# Altium PCB BA-77GHz-Radar_Frontend.PcbDoc (part 3 of 4)
Units mm, origin at the board's own origin, x right, y up, seen from the top; angles counter-clockwise.
Board outline 160 x 110 mm, 6 copper layers (Top Copper, Signal Layer 1, Signal Layer 2, Signal Layer 3, Signal Layer 4, Bot Copper), stack 1.67 mm thick; 271 components, 238 nets, 1207 pads, 1481 vias.
Unrouted connection lines stored in the file: 391.
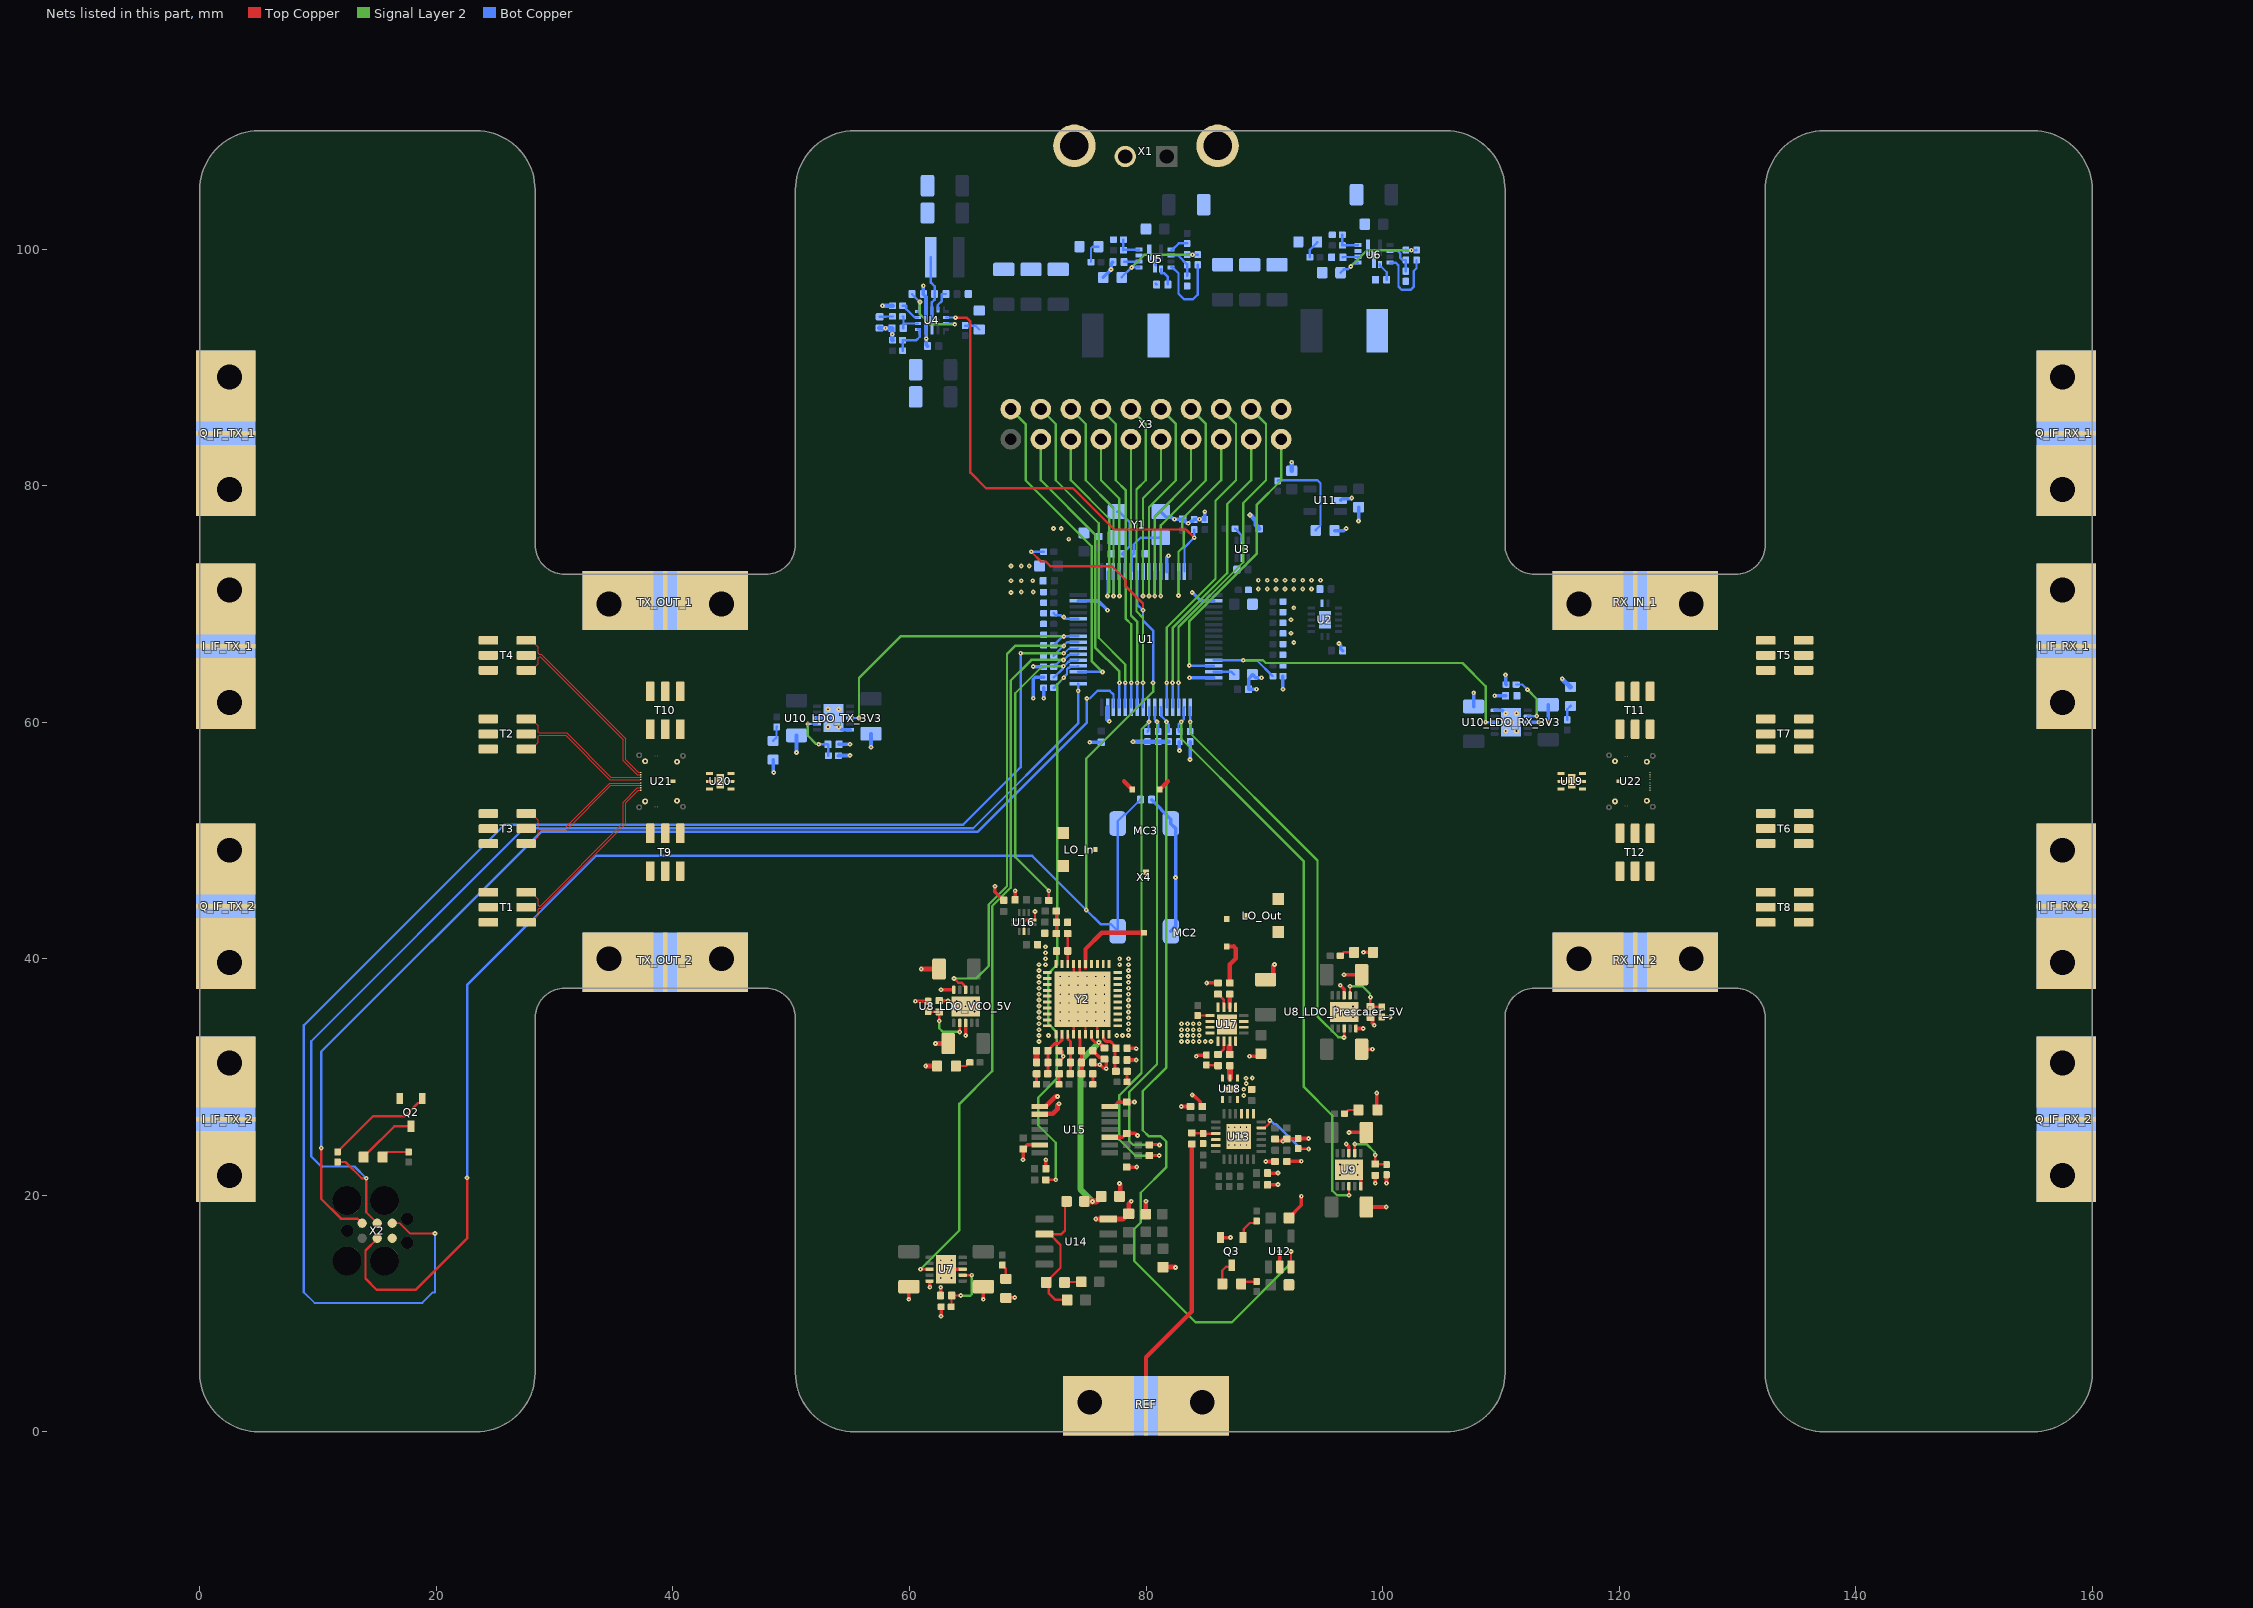
[diagram p5: the nets of this part, all layers, seen from the top]

## Via types
v1: diameter 0.4, hole 0.1, Top Copper to Bot Copper, tented both sides, 1477 vias
v2: diameter 6, hole 3.2, Top Copper to Bot Copper, 4 vias

## Nets (pads, with @x,y where several pads share a name; then routed paths per layer and width w, separated by ;. In a path a pad name is that pad's centre, name@x,y a point inside that pad or via, vN(x,y) a via of type N, cw(c..) or ccw(c..) an arc to the next point about the centre after c; other vN are vias at no path point) (continued)
GND: C1.1 C2.1 C3.1 C4.1 C5.1 C6.1 C7.1 C8.1 C9.1 C10.1 C11.1 C12.1 C13.1 C14.2 C15.1 C16.2 C17.1 C18.1 C19.1 C20.1 C21.1 C22.1 C24.1 C25.1 C26.1 C27.1 C28.1 C30.1 C31.1 C32.1 C33.1 C34.1 C35.1 C37.1 C38.1 C39.1 C40.1 C41.1 C42.1 C43.1 C44.1 C45.1 C47_LDO_Prescaler_5V.1 C47_LDO_VCO_5V.1 C48_LDO_Prescaler_5V.1 C48_LDO_VCO_5V.1 C50_LDO_Prescaler_5V.1 C50_LDO_VCO_5V.1 C51.2 C52.1 C53.1 C54.1 C55.1 C57_LDO_RX_3V3.1 C57_LDO_TX_3V3.1 C58_LDO_RX_3V3.1 C58_LDO_TX_3V3.1 C60_LDO_RX_3V3.1 C60_LDO_TX_3V3.1 C61.1 C62.1 C63.1 C64.1 C65.1 C66.1 C67.1 C68.1 C69.1 C70.1 C71.1 C72.1 C73.1 C78.1 C79.1 C80.1 C81.1 C82.1 C83.1 C84.1 C85.1 C86.1 C87.1 C88.1 C89.1 C90.1 C91.1 C92.1 C93.1 C94.1 C95.1 C96.1 C97.1 C98.1 C101.2 C103.2 C104.1 I_IF_RX_1.2 I_IF_RX_1.3 I_IF_RX_1.4 I_IF_RX_2.2 I_IF_RX_2.3 I_IF_RX_2.4 I_IF_TX_1.2 I_IF_TX_1.3 I_IF_TX_1.4 I_IF_TX_2.2 I_IF_TX_2.3 I_IF_TX_2.4 LED4.2 LED6.2 LED8.2 LED14.2 LED15_LDO_Prescaler_5V.2 LED15_LDO_VCO_5V.2 LED16.2 LED17_LDO_RX_3V3.2 LED17_LDO_TX_3V3.2 LED18.2 LO_In.2 LO_Out.2 Q2.2 Q3.2 Q_IF_RX_1.2 Q_IF_RX_1.3 Q_IF_RX_1.4 Q_IF_RX_2.2 Q_IF_RX_2.3 Q_IF_RX_2.4 Q_IF_TX_1.2 Q_IF_TX_1.3 Q_IF_TX_1.4 Q_IF_TX_2.2 Q_IF_TX_2.3 Q_IF_TX_2.4 R1.1 R2.1 R3.1 R4.1 R5.1 R6.1 R7.1 R8.1 R9.1 R10.1 R11.1 R13.1 R15.1 R17.1 R18.1 R19.1 R20.1 R21.1 R22.1 R24.2 R28.1 R29.1 R34.1 R35.1 R39.1 R40.1 R42.1 R43_LDO_Prescaler_5V.1 R43_LDO_VCO_5V.1 R44.1 R45_LDO_RX_3V3.1 R45_LDO_TX_3V3.1 R47.1 R51.1 R52.1 R53.1 R54.1 R55.1 R60.1 R65.1 R69.1 R85.1 REF.2 REF.3 REF.4 RX_IN_1.2 RX_IN_1.3 RX_IN_1.4 RX_IN_2.2 RX_IN_2.3 RX_IN_2.4 T1.1 T1.2 T1.5 T2.1 T2.2 T2.5 T3.1 T3.2 T3.5 T4.1 T4.2 T4.5 T5.1 T5.2 T5.5 T6.1 T6.2 T6.5 T7.1 T7.2 T7.5 T8.1 T8.2 T8.5 T9.1 T9.2 T9.5 T10.1 T10.2 T10.5 T11.1 T11.2 T11.5 T12.1 T12.2 T12.5 TX_OUT_1.2 TX_OUT_1.3 TX_OUT_1.4 TX_OUT_2.2 TX_OUT_2.3 TX_OUT_2.4 U1.12 U1.18 U1.31 U1.47 U1.63 U2.7 U2.15 U3.2 U4.7 U4.12 U5.1 U5.11 U6.1 U6.11 U7.5 U7.8 U7.11 U8_LDO_Prescaler_5V.5 U8_LDO_Prescaler_5V.8 U8_LDO_Prescaler_5V.11 U8_LDO_VCO_5V.5 U8_LDO_VCO_5V.8 U8_LDO_VCO_5V.11 U9.5 U9.8 U9.11 U10_LDO_RX_3V3.5 U10_LDO_RX_3V3.8 U10_LDO_RX_3V3.11 U10_LDO_TX_3V3.5 U10_LDO_TX_3V3.8 U10_LDO_TX_3V3.11 U11.2 U12.2 U13.1 U13.2 U13.3 U13.10 U13.11 U13.25 U14.4 U15.3 U15.7 U15.8 U15.9 U15.13 U16.3 U16.10 U17.1 U17.4 U17.6 U17.7 U17.8 U17.9 U17.12 U17.14 U17.15 U17.17 U18.1 U18.3 U18.4 U18.6 U18.7 U19.1 U19.3 U19.4 U19.6 U19.7 U20.1 U20.3 U20.4 U20.6 U20.7 U21.19 U22.19 X1.2 X1.MH1 X1.MH2 X2.5 X3.20 X4.3 X4.4 Y1.2 Y1.4 Y2.1 Y2.2 Y2.3 Y2.4 Y2.6 Y2.7 Y2.9 Y2.10 Y2.11 Y2.12 Y2.13 Y2.14 Y2.15 Y2.16 Y2.17 Y2.18 Y2.19 Y2.20 Y2.21 Y2.24 Y2.26 Y2.28 Y2.30 Y2.31 Y2.32 Y2.33 Y2.34 Y2.35 Y2.36 Y2.37 Y2.38 Y2.39 Y2.40 Y2.41 | length 157.4
  Top Copper w0.2: U16.10@69.685,42.291 69.685,42.891 ; 69.685,42.891 69.685,43.12 69.857,43.291 69.935,43.291 ; U16.3@70.335,43.291 70.585,43.291 70.61,43.316 v1(70.61,43.991) ; C89.1@72.657,31.23 72.657,31.255 72.962,31.56 72.962,31.712 v1(73,31.75) 72.962,31.788 72.962,32.151 72.883,32.23 C90.1@72.657,32.23 ; Y2.41@73.543,38.5 73.885,38.842 Y2.7@73.885,39.556 ; Y2.24@73.885,33.606 73.885,34.385 v1(74.25,34.75) ; v1(74.25,38.5) 74.385,38.635 Y2.6@74.385,39.556 ; Y2.26@74.885,33.606 74.885,34.635 v1(75,34.75) ; v1(75.75,34.75) 75.885,34.615 Y2.28@75.885,33.606
  Top Copper w0.3: v1(59.95,11.198) C42.1@59.95,12.273 ; v1(60.5,36.4) R43_LDO_VCO_5V.1@61.575,36.4 ; U7.5@61.7,12.748 61.7,12.273 61.725,12.248 v1(61.725,12.223) ; C50_LDO_VCO_5V.1@62.525,36.45 v1(63.25,36.45) ; C45.1@62.625,11.523 62.638,11.536 62.638,12.211 v1(62.65,12.223) ; v1(62.675,9.773) R42.1@62.675,10.573 ; v1(62.675,37.375) U8_LDO_VCO_5V.5@63.75,37.375 ; U7.11@63.1,13.748 U7.8@64.5,13.748 ; v1(64.75,33.5) U8_LDO_VCO_5V.8@64.75,34.575 ; v1(66.25,11.198) C43.1@66.25,12.273 ; v1(67.225,46.125) 67.225,45.651 67.935,44.941 C94.1@67.96,44.941 ; LED14.2@68.15,11.323 68.175,11.348 v1(68.9,11.348) ; C98.1@68.935,44.978 v1(68.935,45.75) ; v1(69.61,23) C83.1@69.61,23.903 69.98,24.273 71.018,24.273 U15.13@71.035,24.256 ; C86.1@71.535,22.253 v1(71.535,23) ; C84.1@75.5,31.23 75.5,31.205 75.65,31.055 75.718,31.055 75.723,31.05 76.066,31.05 v1(76.085,31.031) 76.112,31.031 76.418,30.725 76.627,30.725 v1(76.646,30.706) 76.646,31.356 76.496,31.506 C79.1@76.485,31.506 76.335,31.656 76.049,31.656 ; C85.1@75.5,32.23 75.5,32.205 76.049,31.656 ; 76,31.75 76.049,31.701 76.049,31.656 ; U15.7@76.91,27.506 77.41,27.506 77.485,27.581 77.485,27.705 77.661,27.881 C82.1@78.36,27.881 v1(79.032,27.881) ; U15.3@76.935,24.906 78.01,24.906 78.335,25.231 79.067,25.231 79.248,25.05 v1(79.275,25.05) ; C87.1@78.36,22.422 C87.1@78.36,22.381 v1(79.213,22.381) ; C80.1@78.41,31.436 v1(79.175,31.436) ; C81.1@78.41,32.436 78.432,32.414 79.156,32.414 v1(79.175,32.395) ; v1(82.979,27.503) C69.1@83.76,27.503 ; v1(83.9,28.48) 83.919,28.461 84.02,28.461 84.585,27.896 84.585,27.657 84.735,27.507 C70.1@84.76,27.507 ; v1(84.25,31.75) 84.277,31.75 84.38,31.853 R69.1@85.114,31.853 ; v1(85.125,37.953) C101.2@86.085,37.953 ; Q3.2@86.3,16.42 v1(87.137,16.42) ; v1(88.75,31.75) 89.491,31.75 C104.1@89.719,31.978 ; v1(90.129,22.855) C66.1@90.91,22.855 ; C67.1@90.285,20.88 91.131,20.88 v1(91.16,20.909) ; C68.1@90.285,21.88 v1(91.16,21.88) ; C72.1@90.91,24.748 91.06,24.598 91.128,24.598 91.135,24.592 91.567,24.592 v1(91.586,24.573) ; U12.2@91.31,13.95 v1@91.31,15.25 ; v1@91.515,24.748 C71.1@91.91,24.748 91.935,24.773 92.835,24.773 R47.1@92.86,24.798 v1(93.75,24.798) ; C65.1@91.91,22.855 91.933,22.878 v1(93.135,22.878) ; C64.1@92.085,18.075 92.085,18.1 93.135,19.15 v1(93.135,19.909) ; v1(96.425,37.75) 96.75,37.425 U8_LDO_Prescaler_5V.8@96.75,36.9 ; v1(96.75,38.65) C48_LDO_Prescaler_5V.1@98.225,38.65 ; v1(96.934,24.324) 97.159,24.099 U9.8@97.159,23.559 ; v1(97.159,25.309) C53.1@98.634,25.309 ; U8_LDO_Prescaler_5V.5@97.75,34.1 v1(98.375,34.1) ; U9.11@97.909,21.709 98.159,21.459 U9.5@98.159,20.759 ; C47_LDO_Prescaler_5V.1@98.225,32.35 v1(99.15,32.35) ; v1(98.397,40.535) LED15_LDO_Prescaler_5V.2@99.197,40.535 ; C52.1@98.634,19.009 v1(100.309,19.009) ; C50_LDO_Prescaler_5V.1@98.975,35.025 99,35.025 99.15,34.875 99.15,34.525 v1(99.3,34.375) ; v1(99.384,21.013) C55.1@99.384,21.684 ; v1(99.509,28.643) 99.509,27.268 LED16.2@99.559,27.218 ; R43_LDO_Prescaler_5V.1@99.925,35.075 100.6,35.075 v1(100.625,35.05) ; v1(100.334,21.013) R44.1@100.334,21.734
  Top Copper w0.4: v1(61,39.125) C47_LDO_VCO_5V.1@62.5,39.125 ; v1(61.369,30.925) LED15_LDO_VCO_5V.2@62.325,30.925 ; v1(62.2,32.825) C48_LDO_VCO_5V.1@63.275,32.825 ; U15.9@71.035,26.856 71.06,26.881 72.11,26.881 72.51,27.281 72.51,27.591 v1(72.65,27.731) ; U15.8@71.035,27.506 71.51,27.506 72.36,28.356 v1(72.51,28.356) ; v1(75.75,18) 76.798,18 U14.4@76.81,17.988 78.07,17.988 78.51,18.428 C78.1@78.535,18.428 ; v1(77.75,21) 77.815,20.935 77.815,19.958 C54.1@77.76,19.903 ; C78.1@78.548,18.416 C78.1@78.535,18.428 ; v1(78.75,19.5) 78.535,19.285 C78.1@78.535,18.428 ; R60.1@79.972,18.416 R60.1@79.985,18.403 79.985,19.485 v1(80,19.5) ; C51.2@81.435,13.928 82.472,13.928 v1(82.5,13.9) ; C103.2@90.111,38.228 90.388,38.228 90.763,38.603 90.763,39.403 v1(90.867,39.508)
  Top Copper w0.5: C91.1@70.757,31.23 C92.1@70.757,32.23
  Bot Copper w0.3: LED17_LDO_TX_3V3.2@48.475,56.825 48.475,55.781 v1(48.52,55.736) ; v1(50.45,57.442) C58_LDO_TX_3V3.1@50.45,58.875 ; U10_LDO_TX_3V3.8@52.175,60.35 U10_LDO_TX_3V3.11@53.575,60.35 ; R45_LDO_TX_3V3.1@54,57.167 54.012,57.18 54.963,57.18 v1(54.975,57.192) ; C60_LDO_TX_3V3.1@54.037,58.137 C60_LDO_TX_3V3.1@54.05,58.125 v1(54.975,58.125) ; U10_LDO_TX_3V3.11@54.037,59.588 U10_LDO_TX_3V3.11@54.025,59.6 54.275,59.35 U10_LDO_TX_3V3.5@54.975,59.35 ; v1(56.75,57.875) C57_LDO_TX_3V3.1@56.75,59.025 ; C24.1@61.175,96.175 61.4,95.95 U4.12@61.4,94.9 U4.7@61.4,93.434 61.425,93.409 61.425,91.9 C20.1@61.525,91.8 ; C24.1@61.175,96.2 v1(61.175,96.9) ; v1(70.475,62.025) 70.475,63.624 70.651,63.8 R5.1@71.35,63.8 ; v1(70.475,64.7) R18.1@71.35,64.7 ; v1(71.35,62.025) R8.1@71.35,62.9 ; U1.63@74.262,70.25 75.525,70.25 75.532,70.243 75.965,70.243 v1(76.753,69.456) ; v1(75.25,58.3) C2.1@76.225,58.3 ; C32.1@76.4,97.6 76.4,97.625 v1(77.05,98.275) 77.05,98.75 C33.1@77.2,98.9 ; C16.2@80.475,53.453 80.475,53.428 82.105,51.798 X4.4@82.105,51.424 82.5,51.029 v1(82.5,46.874) 82.5,42.719 X4.3@82.105,42.324 ; Y1.2@81.25,77.8 81.721,77.329 82.169,77.329 82.325,77.173 82.399,77.173 v1(82.418,77.154) ; U1.12@81.75,72.738 81.75,73.931 v1(81.894,74.075) ; v1@82.418,77.144 82.439,77.165 83.089,77.165 C8.1@83.1,77.175 ; v1(82.825,57.6) R13.1@82.825,58.35 ; C8.1@83.125,77.175 83.473,76.827 83.533,76.827 v1@83.55,76.81 ; v1(83.579,76.808) 83.606,76.808 83.772,76.975 83.95,76.975 84.075,77.1 84.075,77.15 84.087,77.138 84.512,77.138 v1(84.525,77.15) 84.95,77.15 R19.1@84.975,77.125 v1(84.975,77.8) ; v1(83.675,63.75) U1.31@85.738,63.75 ; v1(83.725,56.85) R15.1@83.725,58.35 ; v1(83.9,70.969) 84.619,70.25 U1.18@85.738,70.25 ; v1(89.337,62.775) C1.1@88.675,62.775 88.675,63.675 89,64 C7.1@89,64.025 89.275,63.75 v1(89.76,63.75) ; v1(91.575,62.775) R10.1@91.575,63.9 ; LED18.2@95.95,76.2 96.723,76.2 96.898,76.375 v1(96.925,76.375) ; v1(96.325,66.65) 96.325,66.623 96.475,66.473 96.475,66.201 C11.1@96.625,66.051 ; U11.2@96.45,78.75 96.6,78.9 97.35,78.9 v1(97.4,78.95) ; v1@97.975,77 C61.1@97.975,78.175 ; C57_LDO_RX_3V3.1@107.7,61.325 v1(107.7,62.475) ; U10_LDO_RX_3V3.5@109.475,61 110.134,61 110.384,60.75 U10_LDO_RX_3V3.11@110.425,60.75 ; v1(109.475,62.225) C60_LDO_RX_3V3.1@110.4,62.225 ; v1(110.4,64) 110.4,63.233 R45_LDO_RX_3V3.1@110.45,63.183 ; U10_LDO_RX_3V3.8@112.275,60 v1(113.2,60) ; v1(114,60) C58_LDO_RX_3V3.1@114,61.475
  Bot Copper w0.4: C26.1@57.475,93.325 57.488,93.312 58.512,93.312 C25.1@58.525,93.3 58.55,93.275 58.55,92.325 R28.1@58.575,92.3 ; v1(57.725,95.2) R29.1@58.575,95.2 ; U1.47@76.75,61.262 76.75,60.229 v1(76.9,60.079) ; v1(78.9,58.35) R7.1@80.125,58.35 R9.1@81.925,58.35 ; v1(88.8,77.522) 89.275,77.047 89.275,76.675 89.475,76.475 89.475,76.45 C13.1@89.575,76.35 ; C62.1@92.325,81.25 v1(92.325,81.975) ; v1(115.2,63.675) 115.2,63.625 115.85,62.975 LED17_LDO_RX_3V3.2@115.9,62.975
  other v1: 91.31,15.25 87,24.25 87.5,24.25 88,24.25 88.5,24.25 87,24.75 87.5,24.75 88,24.75 88.5,24.75 87,25.25 87.5,25.25 88,25.25 88.5,25.25 87,25.75 87.5,25.75 88,25.75 88.5,25.75 88.26,28.431 88.26,28.955 88.469,29.449 88.455,29.9 88.991,29.907 70.95,33 83,33 83.5,33 84,33 84.5,33 85,33 85.5,33 70.95,33.5 71.75,33.5 77.52,33.5 78.02,33.5 78.52,33.5 83,33.5 83.5,33.5 84,33.5 84.5,33.5 70.95,34 78.52,34 83,34 83.5,34 84,34 84.5,34 70.95,34.5 78.52,34.5 83,34.5 83.5,34.5 84,34.5 84.5,34.5 72.75,34.75 73.5,34.75 76.5,34.75 70.95,35 78.52,35 70.95,35.5 72.75,35.5 73.5,35.5 74.25,35.5 75,35.5 75.75,35.5 76.5,35.5 78.52,35.5 70.95,36 78.52,36 72.75,36.25 73.5,36.25 74.25,36.25 75,36.25 75.75,36.25 76.5,36.25 70.95,36.5 78.52,36.5 70.95,37 72.75,37 73.5,37 74.25,37 75,37 75.75,37 76.5,37 78.52,37 70.95,37.5 78.52,37.5 72.75,37.75 73.5,37.75 74.25,37.75 75,37.75 75.75,37.75 76.5,37.75 70.95,38 78.52,38 70.95,38.5 72.75,38.5 73.5,38.5 75,38.5 75.75,38.5 76.5,38.5 78.52,38.5 70.95,39 78.52,39 70.95,39.5 71.5,39.5 77.77,39.5 78.52,39.5 71.5,40 77.77,40 78.52,40 71.5,40.5 71.5,41 92.5,66.74 92.25,67.526 92.25,68.655 92.5,69.664 68.59,70.969 69.458,71 70.475,71 89.5,71.25 90.25,71.25 91,71.25 91.75,71.25 92.5,71.25 93.25,71.25 94,71.25 68.59,71.95 69.458,71.95 70.425,71.95 89.5,72 90.25,72 91,72 91.75,72 92.5,72 93.25,72 94,72 94.75,72 68.59,73.2 69.458,73.2 70.125,73.2 73.475,75.475 72.175,76.375 72.825,76.375 97.975,77 61.425,92.425 58.55,92.8 57.975,93.312
HMC8364_VC1: C80.2 C81.2 FB1.2 Y2.29 | length 3.9
  Top Copper w0.25: Y2.29@76.385,33.606 76.385,33.242 76.646,32.981 77.014,32.981 77.285,32.71 77.285,32.611 C81.2@77.46,32.436 77.384,32.361 77.384,31.512 C80.2@77.46,31.436 77.384,31.361 77.384,30.557 FB1.2@77.46,30.481
HMC8364_VC2: C84.2 C85.2 FB2.2 Y2.25 | length 3.4
  Top Copper w0.25: Y2.25@74.385,33.606 74.385,33.308 74.404,33.289 74.404,32.395 C85.2@74.55,32.249 ; FB2.2@74.544,30.281 C84.2@74.544,31.224 ; C84.2@74.544,31.237 C85.2@74.544,32.224
HMC8364_VC3: C89.2 C90.2 FB6.2 Y2.23 | length 3.4
  Top Copper w0.25: Y2.23@73.385,33.606 73.41,33.581 73.41,33.196 73.607,32.999 C90.2@73.607,32.23 C89.2@73.607,31.23 73.604,31.227 73.604,30.278 FB6.2@73.6,30.275
HMC8364_VC4: C91.2 C92.2 FB7.2 Y2.22 | length 4
  Top Copper w0.25: FB7.2@71.7,30.275 71.704,30.278 71.704,31.227 C91.2@71.707,31.23 C92.2@71.707,32.23 ; C92.2@71.707,32.255 72.282,32.83 72.61,32.83 72.885,33.105 Y2.22@72.885,33.606
HMC8364_VCB: C97.2 FB9.2 Y2.8 | length 2.6
  Top Copper w0.2: FB9.2@73.375,42.125 73.385,42.115 C97.2@73.385,40.653 Y2.8@73.385,39.556
I/O_PA0: U1.14 X3.15 | length 16.9
  Signal Layer 2 w0.2: v1(82.75,70.7) 82.75,74.413 83.2,74.863 83.2,76.133 83.065,76.268 83.065,77.165 86.35,80.45 X3.15@86.35,83.925
  Bot Copper w0.2: v1(82.75,70.7) U1.14@82.75,72.738
I/O_PA8: U1.41 X3.10 | length 26.3
  Signal Layer 2 w0.2: X3.10@78.73,86.465 79.985,85.21 79.985,80.45 79.2,79.665 79.2,69.369 79.75,68.819 v1(79.75,63.325)
  Bot Copper w0.2: U1.41@79.75,61.262 v1(79.75,63.325)
I/O_PA9: U1.42 X3.9 | length 22.9
  Signal Layer 2 w0.2: X3.9@78.73,83.925 78.73,69.02 79.25,68.5 v1(79.25,63.325)
  Bot Copper w0.2: U1.42@79.25,61.262 v1(79.25,63.325)
I/O_PA10: U1.43 X3.8 | length 26.3
  Signal Layer 2 w0.2: X3.8@76.19,86.465 77.445,85.21 77.445,80.45 78.3,79.595 78.3,68.725 78.75,68.275 v1(78.75,63.325)
  Bot Copper w0.2: U1.43@78.75,61.262 v1(78.75,63.325)
I/O_PA11: U1.44 X3.4 | length 28.2
  Signal Layer 2 w0.2: X3.4@71.11,86.465 72.365,85.21 72.365,80.45 76,76.815 76,67.13 78.25,64.88 v1(78.25,63.325)
  Bot Copper w0.2: U1.44@78.25,61.262 v1(78.25,63.325)
I/O_PA12: U1.45 X3.3 | length 25.4
  Signal Layer 2 w0.2: X3.3@71.11,83.925 71.11,80.45 75.7,75.86 75.7,66.325 77.75,64.275 v1(77.75,63.325)
  Bot Copper w0.2: U1.45@77.75,61.262 v1(77.75,63.325)
I/O_PB10: U1.29 X3.19 | length 24.4
  Signal Layer 2 w0.2: v1(83.666,64.787) 83.666,68.541 89.372,74.247 89.372,78.392 91.43,80.45 X3.19@91.43,83.925
  Bot Copper w0.2: v1(83.666,64.787) 83.684,64.768 85.72,64.768 U1.29@85.738,64.75
I/O_PB14: U1.35 X3.18 | length 28.8
  Signal Layer 2 w0.2: v1(82.75,63.325) 82.75,68.049 88.225,73.524 88.225,78.53 90.145,80.45 90.145,85.21 X3.18@88.89,86.465
  Bot Copper w0.2: U1.35@82.75,61.262 v1(82.75,63.325)
I/O_PB15: U1.36 X3.17 | length 25.4
  Signal Layer 2 w0.2: v1(82.25,63.325) 82.25,67.974 86.875,72.599 86.875,78.435 88.89,80.45 X3.17@88.89,83.925
  Bot Copper w0.2: U1.36@82.25,61.262 v1(82.25,63.325)
I/O_PC0: U1.8 X3.11 | length 15.9
  Signal Layer 2 w0.2: v1(79.75,70.675) 79.75,78.93 81.27,80.45 X3.11@81.27,83.925
  Bot Copper w0.2: v1(79.75,70.675) U1.8@79.75,72.738
I/O_PC1: U1.9 X3.12 | length 19.3
  Signal Layer 2 w0.2: v1(80.25,70.675) 80.25,78.175 82.525,80.45 82.525,85.21 X3.12@81.27,86.465
  Bot Copper w0.2: v1(80.25,70.675) U1.9@80.25,72.738
I/O_PC2: U1.10 X3.13 | length 16.6
  Signal Layer 2 w0.2: v1(80.75,70.675) 80.75,77.39 83.81,80.45 X3.13@83.81,83.925
  Bot Copper w0.2: v1(80.75,70.675) U1.10@80.75,72.738
I/O_PC3: U1.11 X3.14 | length 20
  Signal Layer 2 w0.2: v1(81.25,70.675) 81.25,76.635 85.065,80.45 85.065,85.21 X3.14@83.81,86.465
  Bot Copper w0.2: v1(81.25,70.675) U1.11@81.25,72.738
I/O_PC6: U1.37 X3.16 | length 28.1
  Signal Layer 2 w0.2: v1(81.75,63.325) 81.75,68 85.875,72.125 85.875,78.72 87.605,80.45 87.605,85.21 X3.16@86.35,86.465
  Bot Copper w0.2: U1.37@81.75,61.262 v1(81.75,63.325)
I/O_PC10: U1.51 X3.2 | length 27.5
  Signal Layer 2 w0.2: X3.2@68.57,86.465 69.825,85.21 69.825,80.45 75.4,74.875 75.4,65.175 v1(76.325,64.25)
  Bot Copper w0.2: U1.51@74.262,64.25 v1(76.325,64.25)
I/O_PC13: U1.2 X3.5 | length 16.7
  Signal Layer 2 w0.2: X3.5@73.65,83.925 73.65,80.45 76.9,77.2 76.9,70.958 76.791,70.85 76.791,70.713 v1(76.753,70.675)
  Bot Copper w0.2: U1.2@76.75,72.738 76.752,72.736 v1(76.753,70.675) v1(76.753,70.675)
I/O_PC14: U1.3 X3.6 | length 19.3
  Signal Layer 2 w0.2: X3.6@73.65,86.465 74.905,85.21 74.905,80.45 77.25,78.105 77.25,70.678 v1(77.253,70.675)
  Bot Copper w0.2: U1.3@77.25,72.738 77.252,72.736 v1(77.253,70.675) v1(77.253,70.675)
I/O_PC15: U1.4 X3.7 | length 16
  Signal Layer 2 w0.2: X3.7@76.19,83.925 76.19,80.45 77.75,78.89 77.75,70.678 v1(77.753,70.675)
  Bot Copper w0.2: U1.4@77.75,72.738 77.752,72.736 v1(77.753,70.675) v1(77.753,70.675)
I_IF_RX_1: I_IF_RX_1.1 T7.3
I_IF_RX_2: I_IF_RX_2.1 T6.3
I_IF_TX_1: I_IF_TX_1.1 T2.3
I_IF_TX_2: I_IF_TX_2.1 T1.3
LO_20GHz: LO_Out.1 MC2.2
LO_RX: U19.5 U22.1
LO_TX: U20.5 U21.1
LT3042_ADF4169_1V8_EN: R9.2 U1.38 U12.3 | length 71.1
  Top Copper w0.2: U12.3@92.26,13.95 v1(92.26,15.25)
  Signal Layer 2 w0.2: v1(81.725,60.025) 81.725,30.803 79.725,28.803 79.725,25.5 80.25,24.975 81.272,24.975 81.725,24.522 81.725,22.381 79.55,20.206 79.55,17.697 79.01,17.157 79.01,14.44 84.2,9.25 87.25,9.25 92.26,14.26 v1(92.26,15.25)
  Bot Copper w0.2: U1.38@81.25,61.262 81.3,61.212 81.3,60.504 81.725,60.079 81.725,60 81.925,59.8 R9.2@81.925,59.2
LT3042_ADF4169_3V3_EN: R13.2 U1.34 U9.3 | length 49.6
  Top Copper w0.2: v1(97.159,19.994) U9.3@97.159,20.759
  Signal Layer 2 w0.2: v1(82.975,60.025) 82.975,58.6 89.5,52.075 93.35,48.225 93.35,29.15 95.75,26.75 95.75,20.392 96.148,19.994 v1(97.159,19.994)
  Bot Copper w0.2: R13.2@82.825,59.2 82.75,59.275 82.75,59.8 83.2,60.25 83.2,61.212 U1.34@83.25,61.262
LT3042_OPV_EN: R18.2 U1.54 U7.3 | length 61.4
  Top Copper w0.2: v1(60.935,13.748) U7.3@61.7,13.748
  Signal Layer 2 w0.2: v1(60.935,13.748) 64.225,17.039 64.225,27.725 67,30.5 67,44.451 68.55,46.001 68.55,63.5 70.313,65.263 73.022,65.263 v1(73.03,65.254)
  Bot Copper w0.2: R18.2@72.2,64.7 72.225,64.7 72.75,65.225 73.001,65.225 v1(73.03,65.254) ; v1(73.03,65.254) v1@73.033,65.257 ; v1@73.039,65.252 73.044,65.252 73.442,65.65 73.507,65.65 73.557,65.7 74.212,65.7 U1.54@74.262,65.75
LT3042_PSC_EN: R15.2 U1.33 U8_LDO_Prescaler_5V.3 | length 35.2
  Top Copper w0.2: v1(96.75,33.335) U8_LDO_Prescaler_5V.3@96.75,34.1
  Signal Layer 2 w0.2: v1(83.738,60.025) 83.738,59.062 94.5,48.3 94.5,35.125 96.252,33.373 96.712,33.373 v1(96.75,33.335)
  Bot Copper w0.2: R15.2@83.725,59.2 83.738,59.213 v1(83.738,60.025) 83.738,61.249 U1.33@83.75,61.262
LT3042_VCO_EN: R17.2 U1.56 U8_LDO_VCO_5V.3 | length 39.5
  Top Copper w0.2: v1(63.775,38.325) 63.782,38.325 64.132,37.975 64.389,37.975 64.6,37.764 64.6,37.725 64.75,37.575 U8_LDO_VCO_5V.3@64.75,37.375
  Signal Layer 2 w0.2: v1(63.775,38.325) 65.63,38.325 66.7,39.395 66.7,44.576 68.25,46.126 68.25,65.775 68.922,66.447 v1(73.054,66.447)
  Bot Copper w0.2: R17.2@72.2,65.626 72.225,65.626 72.4,65.801 72.4,65.826 v1@73.011,66.436 ; v1@73,66.447 v1@73.011,66.436 ; U1.56@74.262,66.75 73.324,66.75 v1@73.011,66.436
LT3045_RX_EN: R10.2 U1.28 U10_LDO_RX_3V3.3 | length 30.7
  Signal Layer 2 w0.2: v1(88.225,65.24) 89.885,65.24 90.125,65 106.75,65 108.71,63.04 v1(108.71,60)
  Bot Copper w0.2: U1.28@85.738,65.25 U1.28@85.738,65.25 v1@88.225,65.249 ; v1(88.225,65.24) 89.36,65.24 90.7,63.9 R10.2@90.725,63.9 ; v1(108.71,60) U10_LDO_RX_3V3.3@109.475,60
LT3045_TX_EN: R11.2 U1.57 U10_LDO_TX_3V3.3 | length 25.3
  Signal Layer 2 w0.2: v1(55.74,60.35) 55.74,63.74 59.25,67.25 v1(73.054,67.25)
  Bot Copper w0.2: U10_LDO_TX_3V3.3@54.975,60.35 v1(55.74,60.35) ; R11.2@72.2,66.526 72.225,66.526 72.949,67.25 U1.57@74.262,67.25
NetC7_2: C7.2 U1.30 | length 1.8
  Bot Copper w0.2: U1.30@85.738,64.25 87.225,64.25 C7.2@87.45,64.025
NetC14_1: C14.1 U1.5 Y1.1 | length 6
  Bot Copper w0.2: Y1.1@77.55,77.8 77.725,77.8 78.6,76.925 78.6,74.85 78,74.25 C14.1@78,74.225 78,74.2 78.25,73.95 U1.5@78.25,72.738
NetC15_2: C15.2 U1.6 Y1.3 | length 4.9
  Bot Copper w0.2: U1.6@78.75,72.738 78.8,72.788 78.8,74.075 C15.2@78.95,74.225 78.95,75 79.55,75.6 Y1.3@81.25,75.6
NetC23_1: C23.1 U4.13 | length 1.8
  Bot Copper w0.2: U4.13@62.4,94.9 62.4,95.265 62.746,95.611 62.746,96.2 C23.1@63.075,96.2
NetC23_2: C23.2 L1.1 U4.6 | length 5.6
  Bot Copper w0.2: L1.1@61.815,99.3 61.815,97.161 62.125,96.851 C23.2@62.125,96.2 62.125,95.727 61.9,95.502 U4.6@61.9,93.96
NetC25_2: C25.2 R30.2 U4.9 | length 2.7
  Bot Copper w0.2: R30.2@59.425,94.3 59.495,94.3 59.495,93.65 ; U4.9@60.712,93.71 59.555,93.71 59.495,93.65 ; 59.495,93.65 59.495,93.3 C25.2@59.475,93.3 59.475,93.63 59.495,93.65
NetC26_2: C26.2 R30.1 | length 1.1
  Bot Copper w0.2: C26.2@57.475,94.275 58.006,94.275 58.031,94.3 R30.1@58.575,94.3